# Altium PCB STB_ControlBoard.PcbDoc (part 3 of 3)
Units mm, origin at the board's own origin, x right, y up, seen from the top; angles counter-clockwise.
Board outline 90 x 90 mm, 4 copper layers (Top Layer, Int1 (GND), Int2 (PWR), Bottom Layer), stack 1.369 mm thick; 185 components, 119 nets, 629 pads, 368 vias.
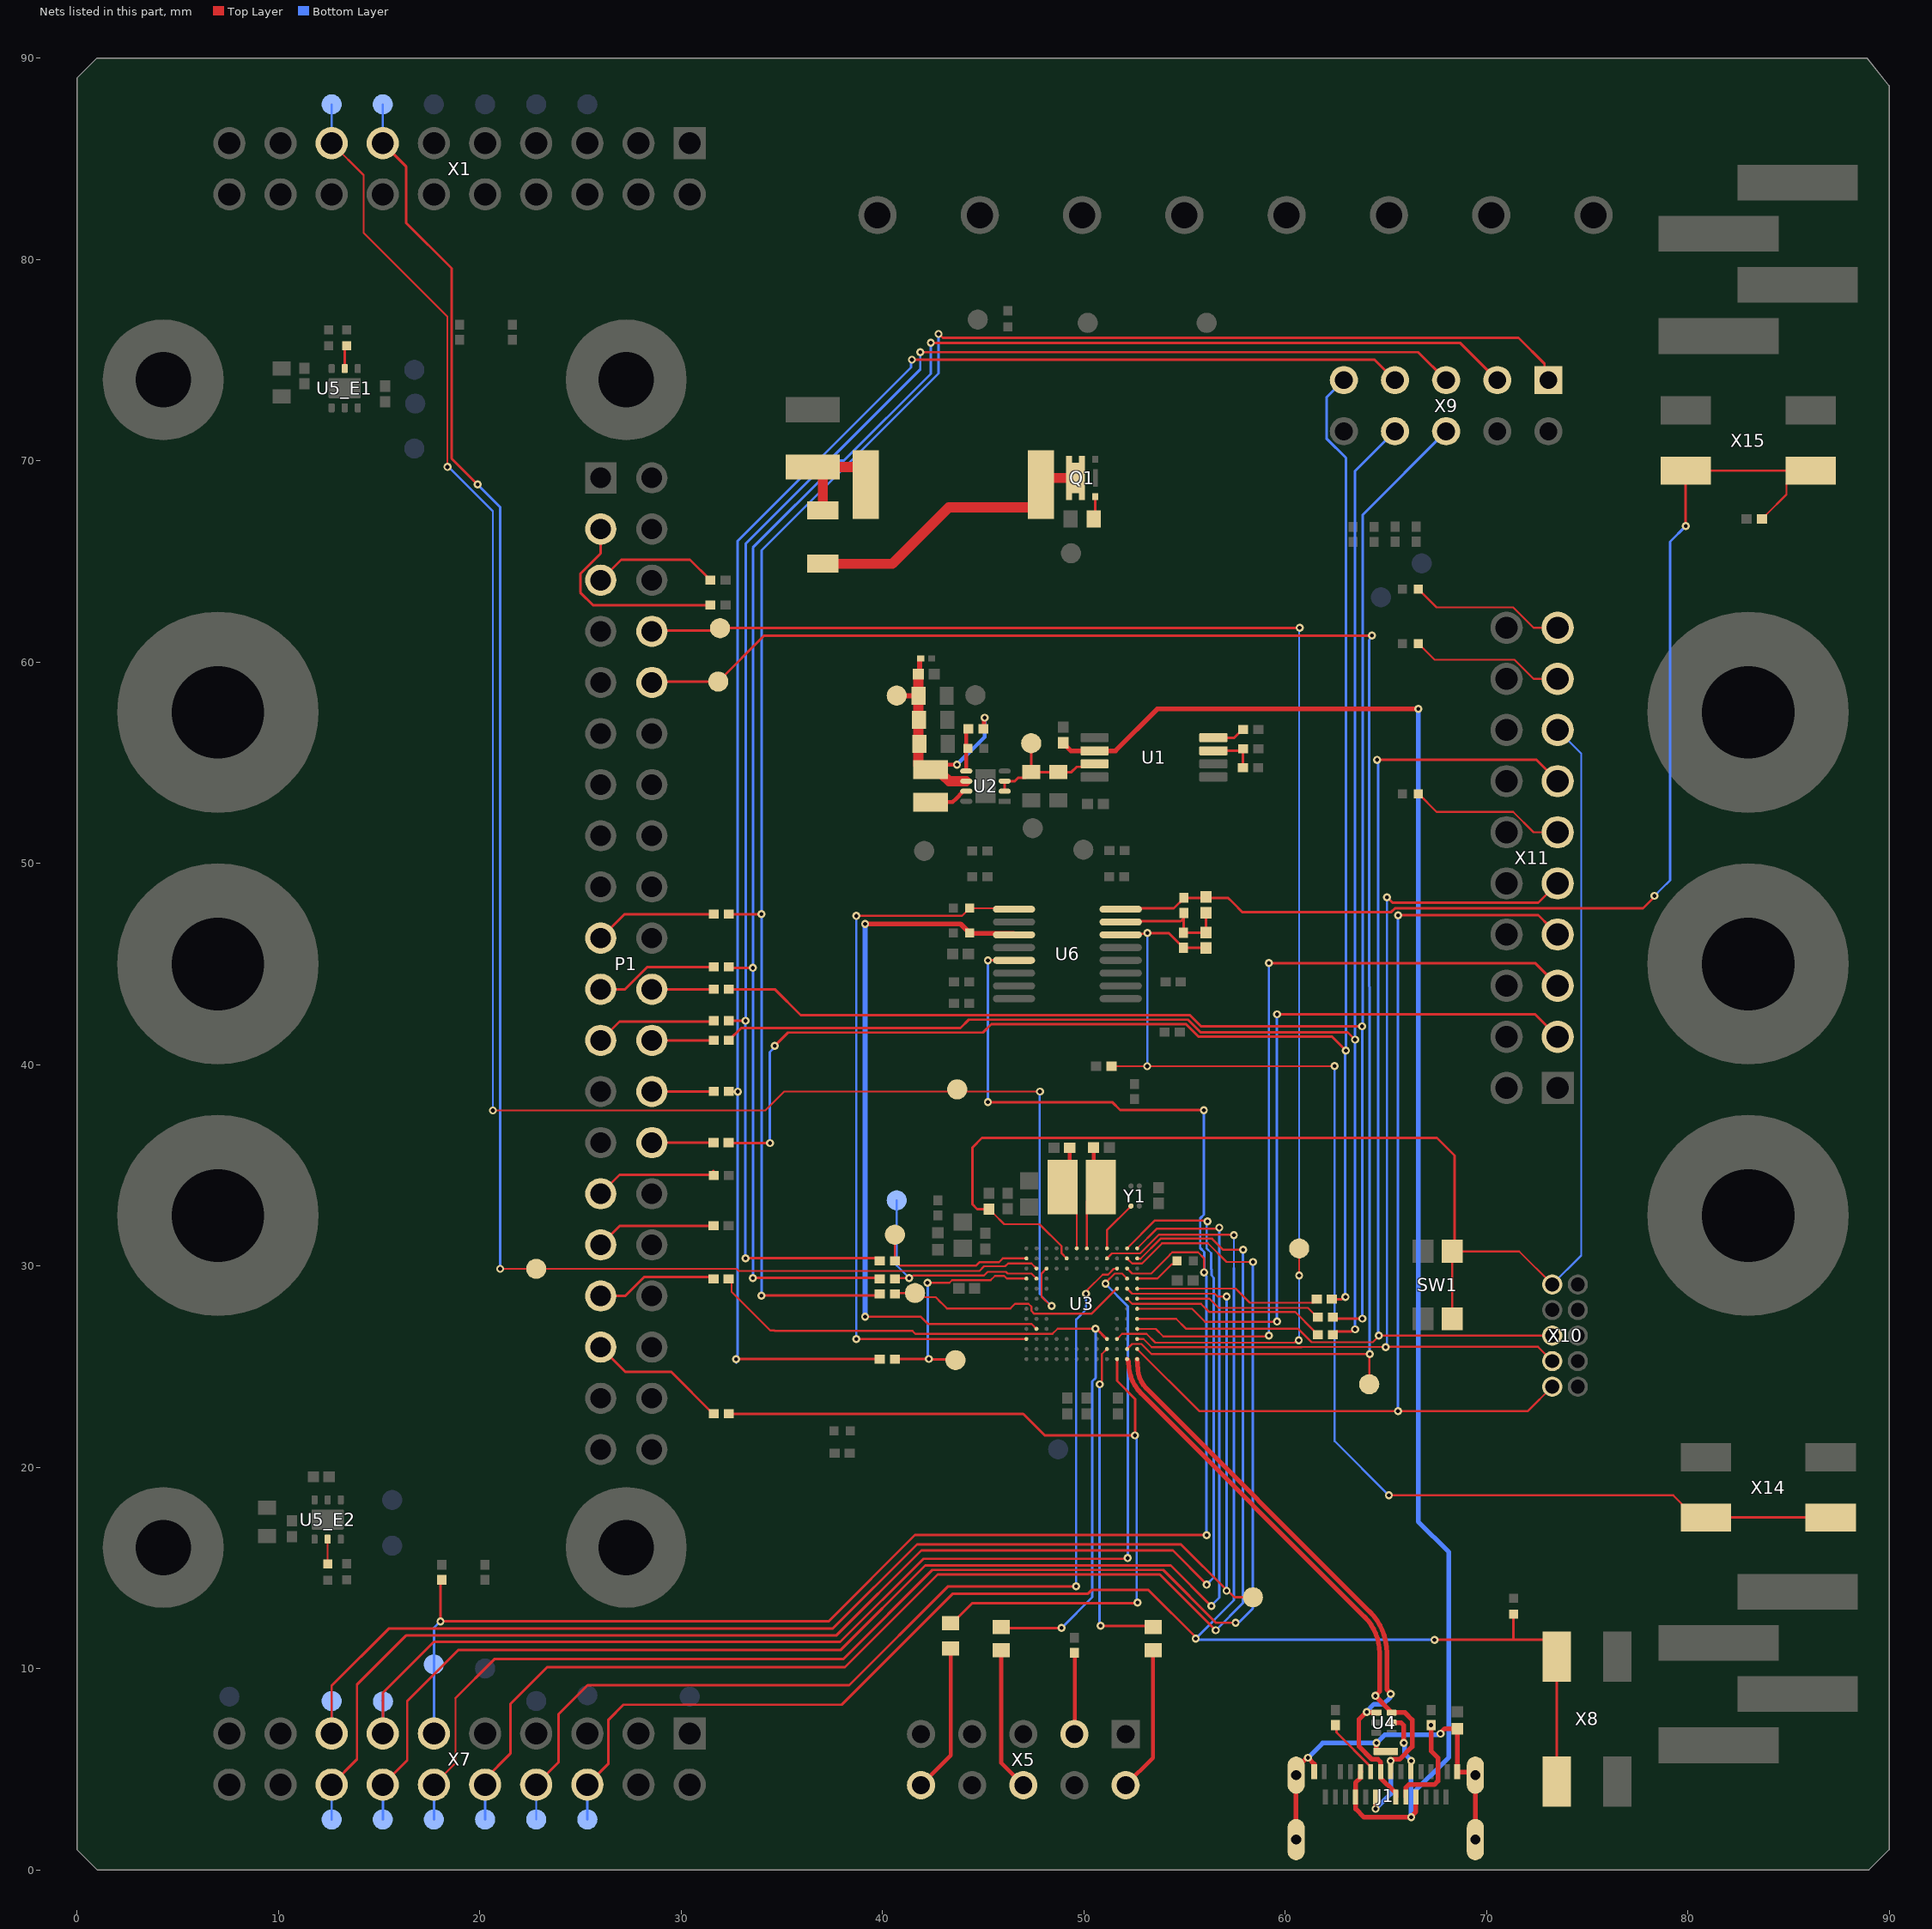
[diagram p5: the nets of this part, all layers, seen from the top]

## Via types
v1: diameter 0.4, hole 0.2, Top Layer to Bottom Layer, tented both sides, 360 vias
v2: diameter 0.5, hole 0.2, Top Layer to Bottom Layer, tented both sides, 4 vias
v3: diameter 1.27, hole 0.711, Top Layer to Bottom Layer, tented both sides, 3 vias
v4: diameter 0.711, hole 0.711, Top Layer to Bottom Layer, tented both sides, 1 vias

## Nets (pads, with @x,y where several pads share a name; then routed paths per layer and width w, separated by ;. In a path a pad name is that pad's centre, name@x,y a point inside that pad or via, vN(x,y) a via of type N, cw(c..) or ccw(c..) an arc to the next point about the centre after c; other vN are vias at no path point) (continued)
I2C_SYS_SDA: R28.1 TP19.TP U3.B3 U6.13 X7.11 | length 93.4
  Top Layer w0.1: R28.1@18.1,14.384 R28.1@18.12,14.404 ; U3.B3@52.154,29.87 52.404,29.62 53.352,29.62 54.272,30.54 54.272,30.551 54.399,30.678 55.677,30.678 55.983,30.371 v1(55.983,29.68)
  Top Layer w0.125: v1(18.056,12.341) v1@18.12,12.405 ; R28.1@18.1,14.384 18.12,14.364 18.056,14.3 18.056,12.468 v1@18.119,12.405 ; v1@18.12,12.404 18.183,12.341 37.325,12.341 41.614,16.629 v1(56.101,16.629) ; v1(45.241,38.133) 51.414,38.133 51.809,37.738 v1(55.969,37.738) ; v1(45.241,45.178) U6.13@46.538,45.178
  Bottom Layer w0.125: X7.11@17.73,6.77 TP19.TP@17.73,10.2 17.73,12.031 18.04,12.341 v1(18.056,12.341) ; v1(45.241,38.133) v1(45.241,45.178) ; 55.806,32.38 55.786,32.36 55.786,30.885 55.983,30.687 55.983,29.747 v1(55.983,29.68) ; 55.806,32.381 55.969,32.544 v1(55.969,37.738) ; v1@55.969,29.68 55.969,29.619 56.101,29.488 v1(56.101,16.629)
INT_AS7265x: TP18.TP U3.A2 X7.10 | length 70.5
  Top Layer w0.1: U3.A2@52.654,30.37 52.667,30.357 52.821,30.357 53.815,31.351 56.377,31.351 56.931,30.797 v1(57.912,30.797)
  Top Layer w0.125: X7.10@20.27,4.23 20.27,4.516 21.525,5.771 21.525,8.235 23.354,10.063 38.14,10.063 42.748,14.671 53.78,14.671 56.551,11.9 v1(56.561,11.9)
  Bottom Layer w0.125: TP18.TP@20.27,2.5 X7.10@20.27,4.23 ; v1(56.561,11.9) 57.912,13.251 v1(57.912,30.797)
INT_DOOR: R10.1 TP14.TP U3.D2 X7.6 X8.1 | length 91.8
  Top Layer w0.1: U3.D2@51.154,30.37 51.404,30.62 52.801,30.62 53.732,31.551 57.433,31.551 v1(57.461,31.523)
  Top Layer w0.125: X7.6@25.35,4.23 26.4,5.28 26.4,7.458 27.142,8.2 37.983,8.2 43.504,13.721 50.218,13.721 50.394,13.897 53.22,13.897 55.562,11.555 v1(55.562,11.488) ; v1(67.42,11.425) 71.356,11.425 ; R10.1@71.345,12.696 71.345,11.436 71.356,11.425 ; X8.1@73.5,4.388 X8.1@73.5,10.588 73.5,10.787 72.863,11.425 71.356,11.425
  Bottom Layer w0.1: 57.461,29.892 v1(57.461,31.523)
  Bottom Layer w0.125: TP14.TP@25.35,2.5 X7.6@25.35,4.23 ; 57.461,29.892 57.461,13.388 v1(55.562,11.488) 55.614,11.435 55.814,11.435 55.824,11.425 v1(67.42,11.425)
INT_MAX6615_nFAIL: TP24.TP U3.B1 X7.16 | length 75.9
  Top Layer w0.1: U3.B1@52.154,30.87 53.543,32.258 56.1,32.258 v1(56.148,32.21)
  Top Layer w0.125: X7.16@12.65,4.23 13.909,5.489 13.909,8.6 13.909,9.202 16.342,11.635 37.708,11.635 41.934,15.861 54.434,15.861 56.1,14.195 v1(56.1,14.163)
  Bottom Layer w0.1: v1(56.1,14.163) v1@56.1,14.193 ; v1(56.148,32.21) 56.1,32.162 56.1,30.871 56.337,30.633
  Bottom Layer w0.125: TP24.TP@12.65,2.5 X7.16@12.65,4.23 ; v1@56.1,14.193 56.129,14.193 56.463,14.526 56.463,29.412 56.345,29.529 56.345,29.83 56.337,29.838 56.337,30.633
INT_MAX6615_nOT: TP22.TP U3.A1 X7.14 | length 73.4
  Top Layer w0.1: U3.A1@52.654,30.87 53.638,31.854 56.685,31.854 v1(56.733,31.901)
  Top Layer w0.125: X7.14@15.19,4.23 16.403,5.443 16.403,8.384 18.932,10.913 37.917,10.913 42.125,15.121 54.321,15.121 v1(56.334,13.108)
  Bottom Layer w0.1: v1(56.334,13.108) v1@56.334,13.117
  Bottom Layer w0.125: TP22.TP@15.19,2.5 X7.14@15.19,4.23 ; v1@56.334,13.117 56.733,13.517 v1@56.733,31.893
INT_TMP: TP20.TP U3.B2 X7.12 | length 74.5
  Top Layer w0.1: X7.12@17.73,4.23 18.8,5.3 18.8,8.53 ; U3.B2@52.154,30.37 52.404,30.12 52.892,30.12 53.894,31.123 56.169,31.123 57.097,30.195 v1(58.403,30.195)
  Top Layer w0.125: 18.8,8.53 20.733,10.463 38.051,10.463 42.484,14.896 53.949,14.896 56.57,12.274 v1(57.545,12.274)
  Bottom Layer w0.125: TP20.TP@17.73,2.5 X7.12@17.73,4.23 ; v1(57.545,12.274) 57.597,12.327 57.749,12.327 58.403,12.981 v1(58.403,30.195)
INT_VEML: TP16.TP U3.C3 X7.8 | length 50.9
  Top Layer w0.1: v1(50.115,28.617) 50.115,28.698 50.202,28.786 50.202,28.825 50.948,29.57 51.208,29.57 51.489,29.851 51.635,29.851 U3.C3@51.654,29.87
  Top Layer w0.125: X7.8@22.81,4.23 23.913,5.333 23.913,7.718 25.363,9.168 38.354,9.168 43.269,14.083 v1(49.628,14.083)
  Bottom Layer w0.1: TP16.TP@22.81,2.5 X7.8@22.81,4.23 ; v1(49.628,14.083) 49.628,27.344 50.115,27.83 v1(50.115,28.617)
LED_B: R9.1 R26.1 U3.C12 | length 42.9
  Top Layer w0.125: R26.1@32.375,22.65 46.997,22.65 48.067,21.581 52.404,21.581 52.548,21.581 52.548,23.397 51.654,24.29 U3.C12@51.654,25.37 ; R26.1@32.39,22.765 R26.1@32.44,22.715 ; R9.1@43.395,12.25 43.47,12.25 44.457,13.237 52.64,13.237 v1(52.673,13.269)
  Bottom Layer w0.125: v1(52.548,21.581) 52.548,21.507 52.631,21.424 52.631,13.311 v1(52.673,13.269)
LED_G: R8.1 R25.1 U3.D10 | length 39
  Top Layer w0.1: R25.1@32.515,29.35 32.515,28.716 34.435,26.795 34.629,26.795 34.655,26.77 41.493,26.77 41.645,26.618 47.049,26.618 47.051,26.62 48.445,26.62 48.704,26.879 v1(50.59,26.879)
  Top Layer w0.125: R8.1@45.904,12.063 45.954,12.013 v1(48.904,12.013) ; v1(50.59,26.879) 50.632,26.879 51.142,26.37 U3.D10@51.154,26.37
  Bottom Layer w0.125: v1(48.904,12.013) 50.429,13.538 50.429,24.27 50.59,24.43 v1(50.59,26.879)
LED_R: R6.1 U3.D11 | length 16.5
  Top Layer w0.1: v1(50.792,24.12) 50.792,24.201 50.904,24.313 50.904,25.62 U3.D11@51.154,25.87
  Top Layer w0.125: v1(50.842,12.122) 53.384,12.122 R6.1@53.442,12.063
  Bottom Layer w0.125: v1(50.792,24.12) 50.792,12.172 v1(50.842,12.122)
NetC3_2: C3.2 C4.2 TP1.TP U1.7 U2.2 U2.3 | length 6.8
  Top Layer w0.125: U2.2@46.074,53.58 U2.3@46.074,54.08 46.578,54.08 46.741,54.242 47.109,54.242 C4.2@47.397,54.53 ; TP1.TP@47.394,55.958 47.394,54.533 C4.2@47.397,54.53 ; U1.7@50.54,54.939 50.39,54.789 49.652,54.789 49.393,54.53 C3.2@48.743,54.53 C4.2@47.397,54.53
NetC5_2: C5.2 C6.2 C7.2 C8.2 FB1.1 L1.2 R1.1 TP2.TP U2.6 | length 15.1
  Top Layer w0.2: L1.2@42.404,54.645 42.655,54.896 v1(43.704,54.896) ; R1.1@45.017,56.678 45.049,56.71 45.049,57.198 v1(45.081,57.23)
  Top Layer w0.25: TP2.TP@40.717,58.326 41.789,58.326 C8.2@41.789,59.396 ; FB1.1@41.904,60.166 41.879,60.166 41.854,60.141 41.854,59.531 41.908,59.476 C8.2@41.919,59.476
  Top Layer w0.5: C8.2@41.789,59.396 41.789,57.118 41.789,54.865 42.009,54.645 L1.2@42.404,54.645 42.799,54.645 43.019,54.425 43.019,54.373 43.312,54.08 U2.6@44.168,54.08
  Bottom Layer w0.2: v1(43.704,54.896) 45.081,56.273 v1(45.081,57.23)
NetC10_1: C10.1 U3.F1 Y2.2 | length 5.4
  Top Layer w0.1: U3.F1@50.154,30.87 50.154,33.215 Y2.2@50.854,33.915
  Top Layer w0.2: C10.1@50.494,35.878 50.494,34.275 Y2.2@50.854,33.915
NetC11_1: C11.1 U3.G1 Y2.1 | length 5.4
  Top Layer w0.1: Y2.1@48.954,33.915 49.654,33.215 49.654,31.765 U3.G1@49.654,30.87
  Top Layer w0.2: Y2.1@48.954,33.915 49.303,34.264 C11.1@49.303,35.87
NetC26_1: C26.1 C27.2 R65.1 R67.2 U6.7 | length 6.6
  Top Layer w0.1: R65.1@54.959,46.55 54.944,46.565 R65.1@54.972,46.593 ; C27.2@55.856,47.306 56.076,47.526 C27.2@56.076,47.546
  Top Layer w0.125: U6.7@51.838,47.13 54.823,47.13 54.972,47.28 ; R65.1@54.959,46.55 56.041,46.55 C26.1@56.076,46.585 ; R65.1@54.972,46.593 54.972,47.28 ; R67.2@54.972,47.535 54.972,47.28 ; C26.1@56.076,46.565 C26.1@56.076,46.585 ; C27.2@56.076,47.526 C26.1@56.076,46.585
NetC26_2: C26.2 R65.2 R66.1 U6.6 X14.1 | length 67.2
  Top Layer w0.1: R66.1@51.375,39.925 51.383,39.916 v1(53.154,39.916) 53.159,39.921 62.456,39.921 v1(62.46,39.925) ; U6.6@51.838,46.495 51.841,46.492 53.114,46.492 v1(53.159,46.536) ; R65.2@54.759,46 54.784,46 54.959,45.825 R65.2@54.959,45.8 ; C26.2@56.061,45.8 C26.2@56.076,45.785 ; v1(65.158,18.6) 79.282,18.6 79.7,18.182 79.7,18.15 80.35,17.5 X14.1@80.9,17.5
  Top Layer w0.125: v1(53.159,46.536) 54.223,46.536 R65.2@54.759,46 ; R65.2@54.959,45.8 C26.2@56.061,45.8 ; X14.1@80.9,17.5 X14.1@87.1,17.5
  Bottom Layer w0.1: v1(53.154,39.916) 53.156,39.919 53.156,46.534 v1(53.159,46.536) ; 62.46,21.298 v1(65.158,18.6)
  Bottom Layer w0.125: 62.46,21.298 v1(62.46,39.925)
NetC27_1: C27.1 R67.1 R68.1 U6.8 X15.1 | length 58.6
  Top Layer w0.1: R67.1@54.972,48.26 R67.1@54.972,48.285 ; X15.1@79.9,69.5 X15.1@85.55,69.5 ; R68.1@83.679,67.1 83.7,67.1 83.886,67.286 83.886,67.308 84.9,68.321 84.9,68.85 X15.1@85.55,69.5 ; X15.1@86.1,69.5 X15.1@85.55,69.5
  Top Layer w0.125: U6.8@51.838,47.765 54.478,47.765 R67.1@54.972,48.26 ; R67.1@54.972,48.285 56.076,48.285 57.166,48.285 57.391,48.059 57.885,47.565 65.257,47.565 65.462,47.77 77.779,47.77 78.351,48.342 v1(78.351,48.385) ; v1(79.9,66.75) X15.1@79.9,69.5
  Bottom Layer w0.1: v1(78.351,48.385) 78.71,48.744 79.118,49.153
  Bottom Layer w0.125: 79.118,49.153 79.118,65.968 v1(79.9,66.75)
NetJ1_A5: J1.A5 R55.2 | length 3
  Top Layer w0.125: R55.2@62.5,7.188 62.551,7.137 62.551,6.824 64.25,5.125 J1.A5@64.25,4.875
NetJ1_A13: J1.A13 J1.B13 L3.1 | length 20.7
  Top Layer w0.234: J1.B13@60.55,1.5 J1.A13@60.55,4.7 60.55,5.033 61.051,5.534 61.108,5.534 v1(61.139,5.566) 61.45,5.255 J1.A13@61.45,4.875 ; v1(64.538,6.3) 64.538,5.938 64.596,5.88 J1.A13@65,5.88 ; v1(67.719,6.764) 67.719,6.795 67.933,7.009 L3.1@68.55,7.009 J1.A13@68.55,4.875 68.571,4.854 69.296,4.854 J1.A13@69.45,4.7 J1.B13@69.45,1.5
  Bottom Layer w0.234: v1(61.139,5.566) 61.873,6.3 v1(64.538,6.3) 64.955,6.717 67.556,6.717 67.57,6.732 67.687,6.732 v1(67.719,6.764) ; J1.A13@69.45,4.7 J1.A13@69.45,5.033
NetJ1_B5: J1.B5 R56.2 | length 5.1
  Top Layer w0.234: J1.B5@66,3.625 66.008,3.633 66.008,4.092 66.145,4.23 67.408,4.23 67.592,4.414 67.592,5.563 67.25,5.906 v1(67.25,7.188)
NetL1_1: L1.1 U2.7 | length 2
  Top Layer w0.2: L1.1@42.404,53.035 43.49,53.035 43.665,53.21 43.665,53.216 43.983,53.533 43.983,53.554 44.009,53.58 U2.7@44.168,53.58
NetLS1_1: LS1.1 R11.1 R14.2 | length 5.5
  Top Layer w0.125: R11.1@36.545,69.687 R11.1@37.045,69.187 ; LS1.1@38.597,69.687 39.184,69.099 LS1.1@39.184,68.814
  Top Layer w0.5: R11.1@36.545,69.687 LS1.1@38.597,69.687 ; R14.2@37.045,67.528 R11.1@37.045,69.187
NetLS1_2: LS1.2 Q1.1 Q1.2 Q1.5 Q1.6 Q1.TP R14.1 | length 14.6
  Top Layer w0.1: LS1.2@47.284,67.678 47.884,68.278 LS1.2@47.884,68.814 LS1.2@48.213,69.143
  Top Layer w0.5: R14.1@37.045,64.878 40.5,64.878 43.3,67.678 LS1.2@47.284,67.678 ; LS1.2@48.213,69.143 Q1.TP@49.596,69.143
NetP1_3: P1.3 R12.2 | length 10.1
  Top Layer w0.125: P1.3@26.014,66.603 26.014,65.389 25,64.375 25,63.45 25.625,62.825 R12.2@31.282,62.825
NetP1_5: P1.5 R13.2 | length 6.3
  Top Layer w0.125: P1.5@26.014,64.063 27.029,65.078 30.448,65.078 R13.2@31.462,64.063
NetP1_19: P1.19 R15.2 | length 6.1
  Top Layer w0.125: P1.19@26.014,46.283 27.203,47.472 R15.2@31.625,47.472
NetP1_21: P1.21 R17.2 | length 6.1
  Top Layer w0.125: P1.21@26.014,43.743 27.228,43.743 28.336,44.851 31.462,44.851 R17.2@31.625,45.013
NetP1_22: P1.22 R18.1 | length 3.1
  Top Layer w0.125: P1.22@28.554,43.743 R18.1@31.625,43.743
NetP1_23: P1.23 R19.2 | length 6
  Top Layer w0.125: P1.23@26.014,41.203 26.952,42.141 R19.2@31.6,42.141
NetP1_24: P1.24 R20.1 | length 3.1
  Top Layer w0.125: P1.24@28.554,41.203 R20.1@31.625,41.203
NetP1_26: P1.26 R21.1 | length 3.1
  Top Layer w0.125: P1.26@28.554,38.663 R21.1@31.625,38.663
NetP1_28: P1.28 R22.1 | length 3.1
  Top Layer w0.125: P1.28@28.554,36.123 R22.1@31.57,36.123 ; R22.1@31.56,36.102 R22.1@31.615,36.157
NetP1_29: P1.29 R23.2 | length 5.9
  Top Layer w0.125: P1.29@26.014,33.583 26.952,34.521 R23.2@31.387,34.521 ; R23.2@31.494,34.603 31.6,34.709 R23.2@31.625,34.709
NetP1_31: P1.31 R24.2 | length 5.8
  Top Layer w0.125: P1.31@26.014,31.043 26.966,31.995 R24.2@31.465,31.995
NetP1_33: P1.33 R25.2 | length 6
  Top Layer w0.125: P1.33@26.014,28.503 27.228,28.503 28.166,29.441 31.524,29.441 R25.2@31.615,29.35
NetP1_35: P1.35 R26.2 | length 7
  Top Layer w0.125: P1.35@26.014,25.963 27.25,24.728 29.523,24.728 31.6,22.65 R26.2@31.625,22.65
NetQ1_3: Q1.3 R16.1 | length 1.1
  Top Layer w0.1: R16.1@50.496,67.1 R16.1@50.571,67.175
  Top Layer w0.125: R16.1@50.571,67.175 Q1.3@50.571,68.218
NetR1_2: R1.2 R5.2 U2.5 | length 2.1
  Top Layer w0.2: R1.2@44.165,56.678 44.165,54.583 U2.5@44.168,54.58
NetR2_1: R2.1 R4.1 U1.3 | length 2.4
  Top Layer w0.125: U1.3@56.44,55.589 57.817,55.589 57.869,55.641 57.91,55.599 R4.1@57.91,54.738
NetR3_2: R3.2 U1.4 | length 1.7
  Top Layer w0.125: U1.4@56.44,56.239 57.482,56.239 57.896,56.652 R3.2@57.921,56.652
NetR6_2: R6.2 X5.2 | length 7.3
  Top Layer w0.2: X5.2@52.08,4.204 53.442,5.566 R6.2@53.442,10.913
NetR7_1: R7.1 X5.3 | length 4.1
  Top Layer w0.2: X5.3@49.54,6.744 49.564,6.768 49.564,10.826 R7.1@49.588,10.85
NetR8_2: R8.2 X5.6 | length 7.2
  Top Layer w0.2: R8.2@45.904,10.913 45.904,5.299 X5.6@47,4.204
NetR9_2: R9.2 X5.10 | length 7.4
  Top Layer w0.2: X5.10@41.92,4.204 43.395,5.679 R9.2@43.395,11
NetR29_1: R29.1 U3.A6 | length 9.3
  Top Layer w0.1: U3.A6@52.654,28.37 56.246,28.37 56.701,27.916 61.139,27.916 R29.1@61.6,27.455
NetR30_1: R30.1 U3.B6 | length 10.2
  Top Layer w0.1: U3.B6@52.154,28.37 52.404,28.12 54.009,28.12 55.823,28.12 56.227,27.716 60.494,27.716 61.425,26.785 61.425,26.76 61.6,26.585 R30.1@61.625,26.585
NetR33_1: R33.1 U3.A5 | length 9.3
  Top Layer w0.1: U3.A5@52.654,28.87 57.545,28.87 58.247,28.167 61.316,28.167 61.319,28.17 61.4,28.17 R33.1@61.575,28.345
NetR34_2: R34.2 X11.11 | length 7.7
  Top Layer w0.1: R34.2@66.625,53.452 67.525,52.552 71.332,52.552 72.344,51.54 X11.11@73.54,51.54
NetR35_2: R35.2 X11.17 | length 7.6
  Top Layer w0.1: R35.2@66.625,60.912 67.427,60.11 71.393,60.11 72.344,59.16 X11.17@73.54,59.16
NetR36_2: R36.2 X11.19 | length 7.7
  Top Layer w0.1: R36.2@66.625,63.612 67.525,62.712 71.332,62.712 72.344,61.7 X11.19@73.54,61.7
NetR50_2: R50.2 U3.A4 | length 2.3
  Top Layer w0.1: U3.A4@52.654,29.37 53.658,29.37 54.367,30.079 54.462,30.079 R50.2@54.637,30.254
NetR58_E1_2: R58_E1.2 U5_E1.2 | length 1
  Top Layer w0.125: U5_E1.2@13.3,74.575 R58_E1.2@13.3,75.529
NetR58_E2_2: R58_E2.2 U5_E2.2 | length 1.2
  Top Layer w0.1: R58_E2.2@12.45,15.185 U5_E2.2@12.45,16.425
NetR63_1: R63.1 U3.L9 U6.11 | length 35.9
  Top Layer w0.1: v1(39.143,27.47) 41.911,27.47 42.261,27.12 47.404,27.12 U3.L9@47.654,26.87
  Top Layer w0.25: v1(39.143,46.986) 43.884,46.986 R63.1@44.334,46.536 44.355,46.514 46.519,46.514 U6.11@46.538,46.495
  Bottom Layer w0.25: v1(39.143,27.47) v1(39.143,46.986)
NetR64_1: R64.1 U3.M10 U6.9 | length 37.5
  Top Layer w0.1: v1(38.7,26.37) v1(38.7,26.37) 45.904,26.369 45.905,26.37 U3.M10@47.154,26.37 ; v1(38.7,47.385) 43.95,47.385 R64.1@44.334,47.768 44.336,47.765 U6.9@46.538,47.765
  Bottom Layer w0.1: v1(38.7,26.37) v1(38.7,47.385)
NetU3_D1: U3.D1 Y1.B1 | length 2.6
  Top Layer w0.1: U3.D1@51.154,30.87 51.154,31.776 Y1.B1@52.35,32.972
PW_DWN: R18.2 R29.2 X9.6 | length 79.5
  Top Layer w0.125: R18.2@32.375,43.743 34.655,43.743 35.942,42.456 55.273,42.456 55.829,41.9 v1(63.828,41.9) ; R29.2@62.375,27.455 62.45,27.38 v1(63.838,27.38)
  Bottom Layer w0.125: v1(63.828,41.9) 63.838,41.89 v1(63.838,27.38) ; v1@63.863,41.9 63.863,67.322 X9.6@68,71.46
RESET: R20.2 R30.2 X9.8 | length 78.6
  Top Layer w0.125: R20.2@32.375,41.203 32.988,41.816 43.876,41.816 44.291,42.231 55.18,42.231 55.805,41.605 63.111,41.605 v1(63.476,41.241) ; R30.2@62.375,26.585 62.538,26.747 63.3,26.747 63.401,26.848 v1(63.476,26.848)
  Bottom Layer w0.125: v1(63.476,26.848) 63.476,27.21 63.466,27.22 63.466,34.295 63.476,34.305 63.476,41.74 63.466,41.75 63.466,69.466 X9.8@65.46,71.46
SPI_CAM_CLK: R47.2 TP52.TP U3.M2 | length 8.1
  Top Layer w0.1: TP52.TP@40.621,31.551 40.621,30.279 40.821,30.079 40.893,30.007 44.646,30.007 44.817,30.179 45.785,30.179 45.977,30.37 U3.M2@47.154,30.37
SPI_CAM_MISO: R46.2 TP51.TP U3.L4 | length 11.4
  Top Layer w0.1: R46.2@40.621,29.35 40.671,29.4 v1(41.33,29.4) 41.411,29.4 41.536,29.525 45.05,29.525 45.229,29.705 46.132,29.705 46.217,29.62 47.404,29.62 U3.L4@47.654,29.37
  Bottom Layer w0.1: TP51.TP@40.717,33.258 40.717,30.013 v1(41.33,29.4)
SPI_CAM_MOSI: R45.2 TP49.TP U3.C5 | length 12.2
  Top Layer w0.1: R45.2@40.646,28.614 R45.2@40.621,28.614 40.662,28.655 TP49.TP@41.621,28.655 ; TP49.TP@41.621,28.444 42.647,28.444 42.921,28.17 42.926,28.17 43.209,27.887 46.359,27.887 46.592,28.12 47.258,28.12 47.404,27.973 47.404,27.766 47.551,27.62 50.385,27.62 51.635,28.87 U3.C5@51.654,28.87
SPI_CAM_nCS: R49.2 TP53.TP U3.M4 | length 12
  Top Layer w0.1: v1(42.239,29.162) 43.332,29.162 43.459,29.29 45.376,29.29 45.591,29.505 46.049,29.505 46.184,29.37 U3.M4@47.154,29.37
  Top Layer w0.125: R49.2@40.621,25.37 40.626,25.375 v1(42.308,25.375) 42.337,25.346 43.631,25.346 TP53.TP@43.634,25.343
  Bottom Layer w0.125: v1(42.239,29.162) 42.263,29.138 42.263,25.419 v1(42.308,25.375)
SPI_CLK: R19.1 R47.1 X9.5 | length 82.7
  Top Layer w0.125: R19.1@32.375,42.178 v1(33.21,42.178) ; v1(33.21,30.379) R47.1@39.812,30.379 ; v1(41.884,75.389) 66.611,75.389 X9.5@68,74
  Bottom Layer w0.125: v1(33.21,30.379) 33.198,30.39 33.198,42.167 v1(33.21,42.178) 33.21,65.864 41.884,74.538 v1(41.884,75.389)
SPI_MISO: R17.1 R46.1 X9.3 | length 86.7
  Top Layer w0.125: R17.1@32.375,44.851 32.422,44.804 v1(33.572,44.804) ; v1(33.572,29.4) 39.764,29.4 39.793,29.429 R46.1@39.871,29.35 ; v1(42.404,75.854) 68.686,75.854 X9.3@70.54,74
  Bottom Layer w0.125: v1(33.572,29.4) v1(33.572,44.804) 33.572,65.682 37.896,70.005 38.092,70.005 42.404,74.317 v1(42.404,75.854)
SPI_MOSI: R15.1 R45.1 X9.1 | length 90.5
  Top Layer w0.125: R15.1@32.375,47.472 v1(34,47.472) ; v1(34,28.527) 39.784,28.527 R45.1@39.871,28.614 ; v1(42.79,76.296) 42.809,76.296 43.001,76.104 71.596,76.104 72.886,74.814 72.886,74.194 X9.1@73.08,74
  Bottom Layer w0.125: v1(34,28.527) 34,65.547 42.79,74.337 v1(42.79,76.296)
SPI_nCS: R21.2 R49.1 X9.7 | length 85.4
  Top Layer w0.125: R21.2@32.375,38.663 32.381,38.657 v1(32.819,38.657) ; v1(32.74,25.37) R49.1@39.871,25.37 ; v1(41.467,75.016) 64.444,75.016 X9.7@65.46,74
  Bottom Layer w0.125: v1@32.74,25.181 v1(32.74,25.37) 32.793,25.422 32.793,25.554 32.819,25.58 v1(32.819,38.657) 32.819,66.02 41.428,74.629 41.428,74.977 v1(41.467,75.016)
SYS_NJTRST: U3.A7 X11.3 | length 36.9
  Top Layer w0.1: U3.A7@52.654,27.87 55.379,27.87 56.024,27.225 59.59,27.225 v1(59.6,27.235)
  Top Layer w0.125: v1(59.6,42.5) 72.42,42.5 X11.3@73.54,41.38
  Bottom Layer w0.125: v1(59.6,27.235) v1(59.6,42.5)
SYS_nRESET: C12.2 SW1.1 SW1.3 U3.H2 X10.10 X11.15 | length 75.8
  Top Layer w0.1: C12.2@45.299,32.821 45.299,32.801 45.509,32.591 45.529,32.591 46.047,32.073 47.805,32.073 48.904,30.973 48.904,30.62 U3.H2@49.154,30.37 ; SW1.3@68.3,27.37 SW1.1@68.3,30.72 71.63,30.72 X10.10@73.27,29.08
  Top Layer w0.125: C12.2@45.299,32.821 44.712,32.821 44.475,33.058 44.475,35.878 44.949,36.352 67.551,36.352 68.425,35.478 68.425,30.845 SW1.1@68.3,30.72
  Bottom Layer w0.1: X10.10@73.27,29.08 74.707,30.517 74.707,55.453 X11.15@73.54,56.62
SYS_SWDCSK/TCK: U3.A10 X10.4 X11.9 | length 52.5
  Top Layer w0.1: U3.A10@52.654,26.37 52.967,26.37 53.378,25.96 60.823,25.96 60.833,25.97 64.99,25.97 v1(65,25.96) 65.02,25.98 72.56,25.98 X10.4@73.27,25.27
  Top Layer w0.125: v1(65.06,48.31) 65.063,48.31 65.336,48.038 72.577,48.038 X11.9@73.54,49
  Bottom Layer w0.1: v1(65,25.96) 65.057,26.017 65.057,26.166 65.06,26.168
  Bottom Layer w0.125: 65.06,26.168 v1(65.06,48.31)
SYS_SWDIO/TMS: U3.A11 X10.2 X11.7 | length 55.6
  Top Layer w0.1: U3.A11@52.654,25.87 55.734,22.79 72.06,22.79 X10.2@73.27,24
  Top Layer w0.125: v1(65.612,47.408) 65.627,47.423 72.577,47.423 73.141,46.859 73.54,46.859 X11.7@73.54,46.46
  Bottom Layer w0.1: v1@65.608,47.403 v1(65.612,47.408)
  Bottom Layer w0.125: v1(65.608,22.79) v1@65.608,47.403
SYS_TDI: U3.A9 X11.5 | length 40
  Top Layer w0.1: U3.A9@52.654,26.87 53.574,26.87 53.95,26.495 59.16,26.495 v1(59.2,26.535)
  Top Layer w0.125: v1(59.193,45.043) 72.417,45.043 X11.5@73.54,43.92
  Bottom Layer w0.125: v1(59.193,45.043) 59.197,45.039 59.197,26.538 v1(59.2,26.535)
SYS_TDO/TRACESWO: U3.A8 X10.6 X11.13 | length 59.3
  Top Layer w0.1: U3.A8@52.654,27.37 54.591,27.37 55.076,26.885 60.638,26.885 61.313,26.21 64.355,26.21 64.658,26.512 v1(64.658,26.54) X10.6@73.27,26.54
  Top Layer w0.125: v1(64.573,55.138) 72.482,55.138 X11.13@73.54,54.08
  Bottom Layer w0.125: v1(64.573,55.138) 64.615,55.096 64.615,26.583 v1(64.658,26.54)
UART_LIGHT_RX: TP9.TP TP44.TP U3.L3 X1.13 | length 87.2
  Top Layer w0.1: v1(21.02,29.854) 32.762,29.854 32.865,29.75 44.824,29.75 45.052,29.979 46.1,29.979 46.241,30.12 47.404,30.12 U3.L3@47.654,29.87
  Top Layer w0.125: X1.13@15.19,85.77 16.343,84.617 16.343,81.82 18.612,79.551 18.612,70.102 v1(19.9,68.814)
  Bottom Layer w0.1: X1.13@15.19,85.77 TP9.TP@15.19,87.7
  Bottom Layer w0.125: v1(19.9,68.814) 21.02,67.694 v1(21.02,29.854)
UART_LIGHT_TX: TP10.TP TP46.TP U3.K3 X1.15 | length 94
  Top Layer w0.1: X1.15@12.65,85.77 14.24,84.18 14.24,81.319 18.4,77.16 v1(18.4,69.687) ; v1(20.657,37.723) 34.188,37.723 35.123,38.658 45.042,38.658 v1(47.825,38.658) ; U3.K3@48.154,29.87 47.904,29.62 47.904,28.473 48.368,28.01 v1(48.404,28.01)
  Bottom Layer w0.1: X1.15@12.65,85.77 TP10.TP@12.65,87.7 ; v1(18.4,69.687) 18.455,69.687 20.657,67.484 v1(20.657,37.723) ; v1(47.825,38.658) 47.81,38.643 47.81,28.603 v1(48.404,28.01)
UART_RBI_RX: P1.8 TP28.TP TP47.TP U3.C10 | length 78.5
  Top Layer w0.1: P1.8@28.554,61.523 P1.8@28.597,61.566 ; U3.C10@51.654,26.37 51.904,26.62 53.122,26.62 53.557,26.185 60.472,26.185 60.597,26.31 v1(60.678,26.31) ; v1(60.701,29.525) TP47.TP@60.701,30.87
  Top Layer w0.125: P1.8@28.597,61.566 TP28.TP@32.147,61.566 ; TP28.TP@31.937,61.674 31.95,61.687 60.712,61.687 v1(60.725,61.7)
  Bottom Layer w0.1: v1(60.678,26.31) 60.701,26.333 v1(60.701,29.525) 60.701,61.677 v1(60.725,61.7)
UART_RBI_TX: P1.10 TP27.TP TP48.TP U3.B11 | length 86.4
  Top Layer w0.1: P1.10@28.554,58.983 P1.10@28.597,59.026 ; U3.B11@52.154,25.87 52.404,26.12 52.865,26.12 53.368,25.617 v1(64.209,25.617) 64.193,25.602 64.193,24.135 TP48.TP@64.178,24.12
  Top Layer w0.125: P1.10@28.597,59.026 TP27.TP@31.85,59.026 34.136,61.312 v1(64.32,61.312)
  Bottom Layer w0.1: 64.178,61.089 64.32,61.231 v1(64.32,61.312)
  Bottom Layer w0.125: 64.178,61.089 64.178,43.881 64.201,43.858 64.201,25.625 v1(64.209,25.617)
UART_SYS_RX: TP21.TP U3.B4 X7.13 | length 59.2
  Top Layer w0.1: v1(51.086,29.12) 51.086,29.165 51.541,29.62 51.904,29.62 U3.B4@52.154,29.37
  Top Layer w0.125: X7.13@15.19,6.77 15.19,8.781 17.728,11.319 37.91,11.319 42.043,15.452 52.151,15.452 v1(52.185,15.486)
  Bottom Layer w0.125: TP21.TP@15.161,8.401 TP21.TP@15.201,8.361 ; X7.13@15.19,6.77 TP21.TP@15.19,8.675 ; v1(51.086,29.12) 51.086,29.102 52.185,28.003 v1(52.185,15.486)
UART_SYS_TX: TP23.TP TP43.TP U3.B5 X7.15 | length 73.4
  Top Layer w0.1: U3.B5@52.154,28.87 52.404,28.62 56.511,28.62 56.649,28.482 v1(57.095,28.482)
  Top Layer w0.125: X7.15@12.65,6.77 12.65,9.146 15.483,11.979 37.526,11.979 41.718,16.171 54.827,16.171 57.099,13.898 v1(57.099,13.864) ; v1@57.134,13.864 57.159,13.864 57.485,13.538 TP43.TP@58.403,13.538
  Bottom Layer w0.125: X7.15@12.65,6.77 TP23.TP@12.65,8.385 ; v1@57.089,28.476 57.097,28.468 v1(57.099,13.864) v1(57.099,13.864)
USB_N: J1.A7 J1.B7 U3.B12 U4.6 | length 30.7
  Top Layer w0.234: U3.B12@52.154,25.37 cw(c51.987,25.202) 52.224,25.202 ccw(c54.415,25.202) 52.865,23.653 63.95,12.568 cw(c62.154,10.772) 64.694,10.772 64.694,8.861 64.48,8.647 v1(64.48,8.64) ; v1@64.48,8.636 64.485,8.636 65.198,7.922 65.198,7.809 U4.6@65.293,7.809 65.957,7.809 66.317,7.448 66.317,6.12 65.685,5.488 65.37,5.488 65.287,5.405 v1(65.243,5.405) 65.246,5.401 65.246,5.133 65.25,5.129 J1.A7@65.25,4.875 ; v1(64.495,3.028) 64.498,3.03 64.498,3.623 J1.B7@64.5,3.625
  Bottom Layer w0.234: v1(64.495,3.028) 65.243,3.775 v1(65.243,5.405)
USB_P: J1.A6 J1.B6 U3.A12 U4.1 | length 29.2
  Top Layer w0.234: U3.A12@52.654,25.37 52.694,24.84 ccw(c54.163,24.95) 53.122,23.907 64.206,12.824 cw(c62.154,10.772) 65.055,10.772 65.055,10.123 65.055,8.968 65.245,8.778 v1(65.245,8.733) ; U4.1@64.538,7.809 64.525,7.822 64.074,7.822 v1(64.061,7.834) 64.026,7.834 63.665,7.473 63.665,6.138 64.315,5.488 64.605,5.488 64.742,5.351 64.742,4.883 J1.A6@64.75,4.875 ; J1.A6@64.758,4.849 64.758,4.549 65.424,3.883 65.492,3.883 65.5,3.875 J1.B6@65.5,3.628
  Bottom Layer w0.234: v1@64.026,7.834 64.415,8.223 64.887,8.223 65.214,8.55 65.214,8.701 v1(65.245,8.733)
VBUS: C2.2 J1.A4 J1.A9 J1.B4 J1.B9 U1.6 U4.5 | length 85.9
  Top Layer w0.234: C2.2@48.987,55.987 48.987,55.967 49.365,55.589 51.58,55.589 53.66,57.668 v1(66.611,57.668) ; J1.A4@63.75,4.875 63.742,4.867 63.742,4.564 63.5,4.322 J1.B9@63.5,3.625 63.508,3.617 63.508,3.03 63.927,2.61 v1(66.265,2.61) 66.265,2.655 66.5,2.89 J1.B4@66.5,3.625 ; U4.5@65.293,7.309 65.763,7.309 65.9,7.171 v1(65.9,6.3) ; J1.A9@66.25,4.875 66.257,4.882 66.257,5.394 v1(66.265,5.401)
  Bottom Layer w0.234: v1(65.9,6.3) 65.932,6.268 65.932,5.779 66.265,5.446 66.265,3.726 ; v1(66.265,2.61) 66.265,3.726 ; v1(66.611,57.668) 66.611,17.304 68.136,15.779 68.136,5.598 66.265,3.726
VSYNC: R22.2 R33.2 X9.9 | length 83.4
  Top Layer w0.125: R22.2@32.365,36.123 32.386,36.102 v1(34.414,36.102) ; v1(34.655,40.928) 35.318,41.591 44.994,41.591 45.41,42.006 55.086,42.006 55.712,41.38 62.337,41.38 v1(63.022,40.695) ; R33.2@62.325,28.345 62.814,28.345 62.926,28.456 v1(63,28.456)
  Bottom Layer w0.125: v1(34.414,36.102) 34.414,40.621 34.655,40.861 v1(34.655,40.928) ; X9.9@62.92,74 62.058,73.137 62.058,71.103 63.022,70.138 v1(63.022,40.695) ; v1@62.969,40.695 62.969,40.642 62.985,40.627 62.985,28.471 v1(63,28.456)
pads on no net: J1.A2 J1.A3 J1.A8 J1.A10 J1.A11 J1.B2 J1.B3 J1.B8 J1.B10 J1.B11 P1.1 P1.7 P1.11 P1.12 P1.13 P1.15 P1.16 P1.17 P1.18 P1.27 P1.32 P1.36 P1.37 P1.38 P1.40 U1.1 U2.8 U3.B7 U3.B10 U3.D12 U3.E1 U3.E10 U3.E11 U3.E12 U3.H10 U3.H11 U3.J11 U3.J12 U3.K5 U3.K8 U3.K9 U3.K10 U3.L6 U3.L10 U3.L11 U3.L12 U3.M3 U3.M5 U3.M6 U3.M7 U3.M11 U3.M12 U4.3 U4.4 X10.7 X10.8

## Polygon pours and split planes (outlines as drawn)
GND on Top Layer "NONET_L-01_P-001" (solid, remove dead copper, pour order 2): 90.205,0.082 90.216,0.093 0.205,0.082 0.205,90.082 88.705,89.582
12V on Top Layer "NONET_L-01_P-001" (solid, pour order 0): 26.7,87.243 26.7,82.954 34.638,75.016 34.638,70.612 40.96,70.612 40.96,77.547 31.264,87.243
GND on Bottom Layer "NONET_L-01_P-001" (solid, pour order 3): 0,90 0,0 1,0 90.011,0 89.352,90
5V on Bottom Layer "NONET_L-01_P-001" (solid, pour order 1): 26.7,87.4 26.7,79.565 47.171,79.565 47.295,79.441 77.51,79.441 77.51,86.61 77.51,87.4
3V3_SYS on Int2 (PWR) (split plane): 9.858,15.923 9.858,8.252 7.7,8.252 7.635,8.244 7.57,8.252 6.8,8.252 6.735,8.244 6.674,8.218 6.622,8.178 5.922,7.478 5.882,7.426 5.856,7.365 5.848,7.3 5.848,5.9 5.856,5.835 5.882,5.774 5.922,5.722 6.422,5.222 6.474,5.182 6.535,5.156 6.6,5.148 8.296,5.148 8.548,4.896 8.548,0.51 1.211,0.51 0.51,1.211 0.51,16.548 9.233,16.548
24V on Int2 (PWR) (split plane): 57.138,80.514 51.389,74.765 0.51,74.765 0.51,88.789 1.211,89.49 57.138,89.49
12V on Int2 (PWR) (split plane): 89.49,88.445 89.49,1.211 88.789,0.51 9.052,0.51 9.052,5 9.044,5.065 9.018,5.126 8.996,5.156 8.978,5.178 8.578,5.578 8.526,5.618 8.465,5.644 8.4,5.652 6.704,5.652 6.352,6.004 6.352,7.196 6.904,7.748 7.57,7.748 7.635,7.756 7.7,7.748 28.848,7.748 28.848,4.1 28.856,4.035 28.882,3.974 28.922,3.922 29.622,3.222 29.674,3.182 29.735,3.156 29.8,3.148 33.3,3.148 33.365,3.156 33.426,3.182 33.478,3.222 35.078,4.822 35.118,4.874 35.144,4.935 35.152,5 35.152,8.2 35.152,9.196 39.204,13.248 78,13.248 78.065,13.256 78.126,13.282 78.178,13.322 82.878,18.022 82.918,18.074 82.944,18.135 82.952,18.2 82.952,37 82.952,73.2 82.952,74.2 82.944,74.265 82.918,74.326 82.896,74.356 82.878,74.378 76.952,80.304 76.952,83.7 76.944,83.765 76.918,83.826 76.896,83.856 76.878,83.878 76.378,84.378 76.326,84.418 76.265,84.444 76.2,84.452 69.56,84.452 69.495,84.444 69.434,84.418 69.382,84.378 56.062,71.059 55.356,70.352 38.904,70.352 37.352,71.904 37.352,74.261 51.494,74.261 51.559,74.27 51.62,74.295 51.672,74.335 57.568,80.231 57.608,80.284 57.634,80.344 57.642,80.41 57.642,89.49 88.654,89.49
3V3 on Int2 (PWR) (split plane): 27.032,65.616 27.041,65.551 27.066,65.49 27.106,65.438 28.658,63.885 28.711,63.845 28.771,63.82 28.837,63.811 73.032,63.811 75.348,61.496 75.348,22.704 72.496,19.852 36.2,19.852 36.135,19.844 36.074,19.818 36.022,19.778 28.922,12.678 28.882,12.626 28.856,12.565 28.848,12.5 28.848,8.252 10.362,8.252 10.362,16.027 10.354,16.092 10.328,16.153 10.306,16.183 10.288,16.205 9.515,16.978 9.463,17.018 9.402,17.044 9.337,17.052 0.51,17.052 0.51,74.261 27.032,74.261
5V on Int2 (PWR) (split plane): 76.448,83.596 76.448,80.2 76.456,80.135 76.482,80.074 76.522,80.022 82.448,74.096 82.448,73.2 82.448,73 82.448,37 82.448,27.996 82.448,18.304 81.222,17.078 81.022,16.878 77.896,13.752 39.1,13.752 39.035,13.744 38.974,13.718 38.922,13.678 34.722,9.478 34.682,9.426 34.656,9.365 34.648,9.3 34.648,8.2 34.648,5.104 33.196,3.652 29.904,3.652 29.352,4.204 29.352,8 29.352,12.396 36.304,19.348 72.6,19.348 72.665,19.356 72.726,19.382 72.778,19.422 75.778,22.422 75.818,22.474 75.844,22.535 75.852,22.6 75.852,61.6 75.844,61.665 75.826,61.708 75.818,61.726 75.801,61.749 75.778,61.778 73.315,64.242 73.263,64.282 73.202,64.307 73.137,64.315 28.941,64.315 27.536,65.72 27.536,74.261 36.848,74.261 36.848,71.8 36.856,71.735 36.882,71.674 36.922,71.622 38.622,69.922 38.674,69.882 38.735,69.856 38.8,69.848 55.46,69.848 55.525,69.856 55.586,69.882 55.638,69.922 56.419,70.702 69.664,83.948 76.096,83.948
GND on Int1 (GND) (split plane): 89.49,88.445 89.49,1.211 88.789,0.51 1.211,0.51 0.51,1.211 0.51,88.789 1.211,89.49 88.654,89.49

## Other copper
Top Layer:
  rectangle net GND: 78.369,47.284 78.825,48.013
  rectangle net GND: 80.158,46.218 88.422,49.312
  rectangle net GND: 78.71,46.905 86.973,49.998
  rectangle net GND: 77.681,39.717 88.42,47.565
  rectangle net GND: 77,26.659 88.602,37.904
  rectangle net GND: 77,51.907 89,63.989
  rectangle net GND: 1.247,24.097 12.953,63.302
  rectangle net GND: 1,70.263 8.067,77.513
  rectangle net GND: 23.856,70.756 30.784,77.183
  rectangle net GND: 23.795,12.924 31.084,19.399
  rectangle net GND: 1,12.641 7.57,20.314
  pour cut-out: 52.879,34.087 53.029,34.087 53.029,33.475 52.879,33.475
  pour cut-out: 52.062,34.084 52.212,34.084 52.212,33.472 52.062,33.472
  pour cut-out: 52.121,33.853 52.975,33.853 52.975,33.472 52.135,33.472
  text "1" at 1.778,5.152 h0.7 r90
  text "TOP" at 1.916,1.254 h1 r90
Bottom Layer:
  rectangle net GND: 80.342,28.097 85.698,60.212
  rectangle net GND: 2.956,27.761 12.089,62.825
  rectangle net GND: 23.795,14.461 25.106,17.911
  rectangle net GND: 24.41,12.728 31.03,19.164
  rectangle net GND: 23.41,70.769 30.669,77.242
  rectangle net GND: 1.009,70.171 7.452,77.829
  rectangle net GND: 1,12.443 7.57,20.525
  text "4" at 1.728,7.57 h0.7 r90
  text "BOT" at 1.916,3.846 h1 r90
Int1 (GND) (plane layer: these items are gaps in the copper):
  text "2" at 1.758,5.592 h0.7 r90
Int2 (PWR) (plane layer: these items are gaps in the copper):
  lines w0.5: 0,74.513 51.494,74.513 57.39,80.41 57.39,89.61 ; 0.1,16.8 9.337,16.8 10.11,16.027 10.11,8 ; 7.57,8 6.8,8 6.1,7.3 6.1,5.9 6.6,5.4 8.4,5.4 8.8,5 8.8,-0.1 ; 7.7,8 29.1,8 ; 27.284,74.513 27.284,65.616 28.837,64.063 34.595,64.063 55.388,64.063 57.533,64.063 ; 37.1,74.5 37.1,71.8 38.8,70.1 54.389,70.1 55.46,70.1 56.241,70.881 69.56,84.2 76.2,84.2 ; 57.2,64.063 73.137,64.063 75.6,61.6 75.6,22.6 72.6,19.6 36.2,19.6 29.1,12.5 29.1,8 ; 75.32,84.2 76.2,84.2 ; 81.2,16.7 81.4,16.9 ; 82.7,27.996 82.7,73.2 ; 82.7,37 82.7,18.2 78,13.5 39.1,13.5 34.9,9.3 34.9,8.2 34.9,5 33.3,3.4 29.8,3.4 29.1,4.1 29.1,8 ; 82.7,73 82.7,74.2 76.7,80.2 76.7,83.7 76.2,84.2
  text "3" at 1.716,6.343 h0.7 r90

## Silkscreen, mask and mechanical layers (free items; w line width, h text height)
Top Overlay:
  text "GND" at 37.424,86.246 h2
  text "GND" at 47.584,86.246 h2
  text "24V / IN" at 52.6,86.246 h2
  text "GND" at 57.744,86.246 h2
  text "12V / IN" at 62.76,86.246 h2
  text "GND" at 67.904,86.246 h2
  text "5V / IN" at 72.984,86.246 h2
  text "24V / OUT" at 42.515,86.211 h2
  text "Fan #1" at 78.751,85.019 h2
  text "Lightboard" at 2.294,77.835 h2
  text "-" at 89.365,71.859 h1.52 r90
  text "+" at 88.107,68.654 h1.52
  text "FP" at 57.776,65.77 h2
  text "RPI 5V" at 29.775,65.678 h2
  text "JTAG" at 67.761,33.627 h2 r90
  text "SWD" at 71.345,20.215 h2 r90
  text "-" at 90.001,19.88 h1.52 r90
  text "+" at 88.744,16.675 h1.52
  text "DOOR" at 72.309,11.905 h2
  text "HMI" at 36.742,10.092 h2
  text "Sensorboard" at 2.242,10.002 h2
  text "Fan #2" at 78.493,2.481 h2
  text "+" at 73.024,1.069 h1.52
  text "-" at 75.945,1.066 h1.52
Bottom Overlay:
  text "STB Control Board / V1.0 - B / 2022" at 88.5,0.89 h1.52
Top Solder:
  drawing of 3 lines, arcs and shapes, not listed
  text "PROJECT" at 7.693,24.256 h1.52
  text "BASED" at 7.693,22.956 h1.52
  text "LEARNING" at 7.693,21.634 h1.52
Mechanical 4:
  the board outline again, w0
Mechanical 6:
  lines w0.2: 0.784,45.013 30.784,45.013 ; 3.784,12.513 cw(c3.784,15.513) 0.784,15.513 0.784,74.513 cw(c3.784,74.513) 3.784,77.513 ; 4.284,16.013 27.284,16.013 27.284,74.013 4.284,74.013 ; 4.284,16.513 4.284,74.513 ; 27.784,12.513 ccw(c27.784,15.513) 30.784,15.513 30.784,74.513 ccw(c27.784,74.513) 27.784,77.513 3.784,77.513 ; 3.784,77.513 ccw(c3.784,77.513) 3.784,77.513
  lines w0.254: 0,-2 90,-2.216
  lines w0.5: 3.784,77.513 3.784,77.513

## Dimensions
90,1 to 0,1 on Mechanical 6

## Text inside footprints (layer, text, board x,y; h text height)
J1: Mechanical 1 "Board Edge" at 61.6,-0.9 h0.75; Mechanical 1 "Plug" at 63.3,-6.252 h1
M1: Bottom Courtyard "TOP" at 9.13,63.607 h1.52
M2: Bottom Courtyard "TOP" at 85.13,63.607 h1.52
X1: Top Overlay "19" at 6.31,86.24 h1.02 r180; Top Overlay "20" at 6.31,83.7 h1.02 r180; Top Overlay "1" at 31.99,86.3 h1.02 r180; Top Overlay "2" at 32.29,83.76 h1.02 r180
X7: Top Overlay "2" at 32.29,4.76 h1.02 r180; Top Overlay "1" at 31.99,7.3 h1.02 r180; Top Overlay "20" at 6.31,4.7 h1.02 r180; Top Overlay "19" at 6.31,7.24 h1.02 r180
X11: Top Overlay "19" at 74.01,62.96 h1.02 r90; Top Overlay "20" at 71.47,62.96 h1.02 r90; Top Overlay "1" at 74.07,37.28 h1.02 r90; Top Overlay "2" at 71.53,36.98 h1.02 r90
X12: Top Overlay "1" at 88.289,85.599 h1.52 r90
X13: Top Overlay "1" at 88.289,15.599 h1.52 r90